# Altium PCB 0416.PcbDoc (part 3 of 3)
Units mm, origin at the board's own origin, x right, y up, seen from the top; angles counter-clockwise.
Board outline 152.4 x 49.85 mm, 4 copper layers (Top Layer, Signal Layer 2, Signal Layer 1, Bottom Layer), stack 0.778 mm thick; 259 components, 302 nets, 1185 pads, 479 vias.
Unrouted connection lines stored in the file: 71.
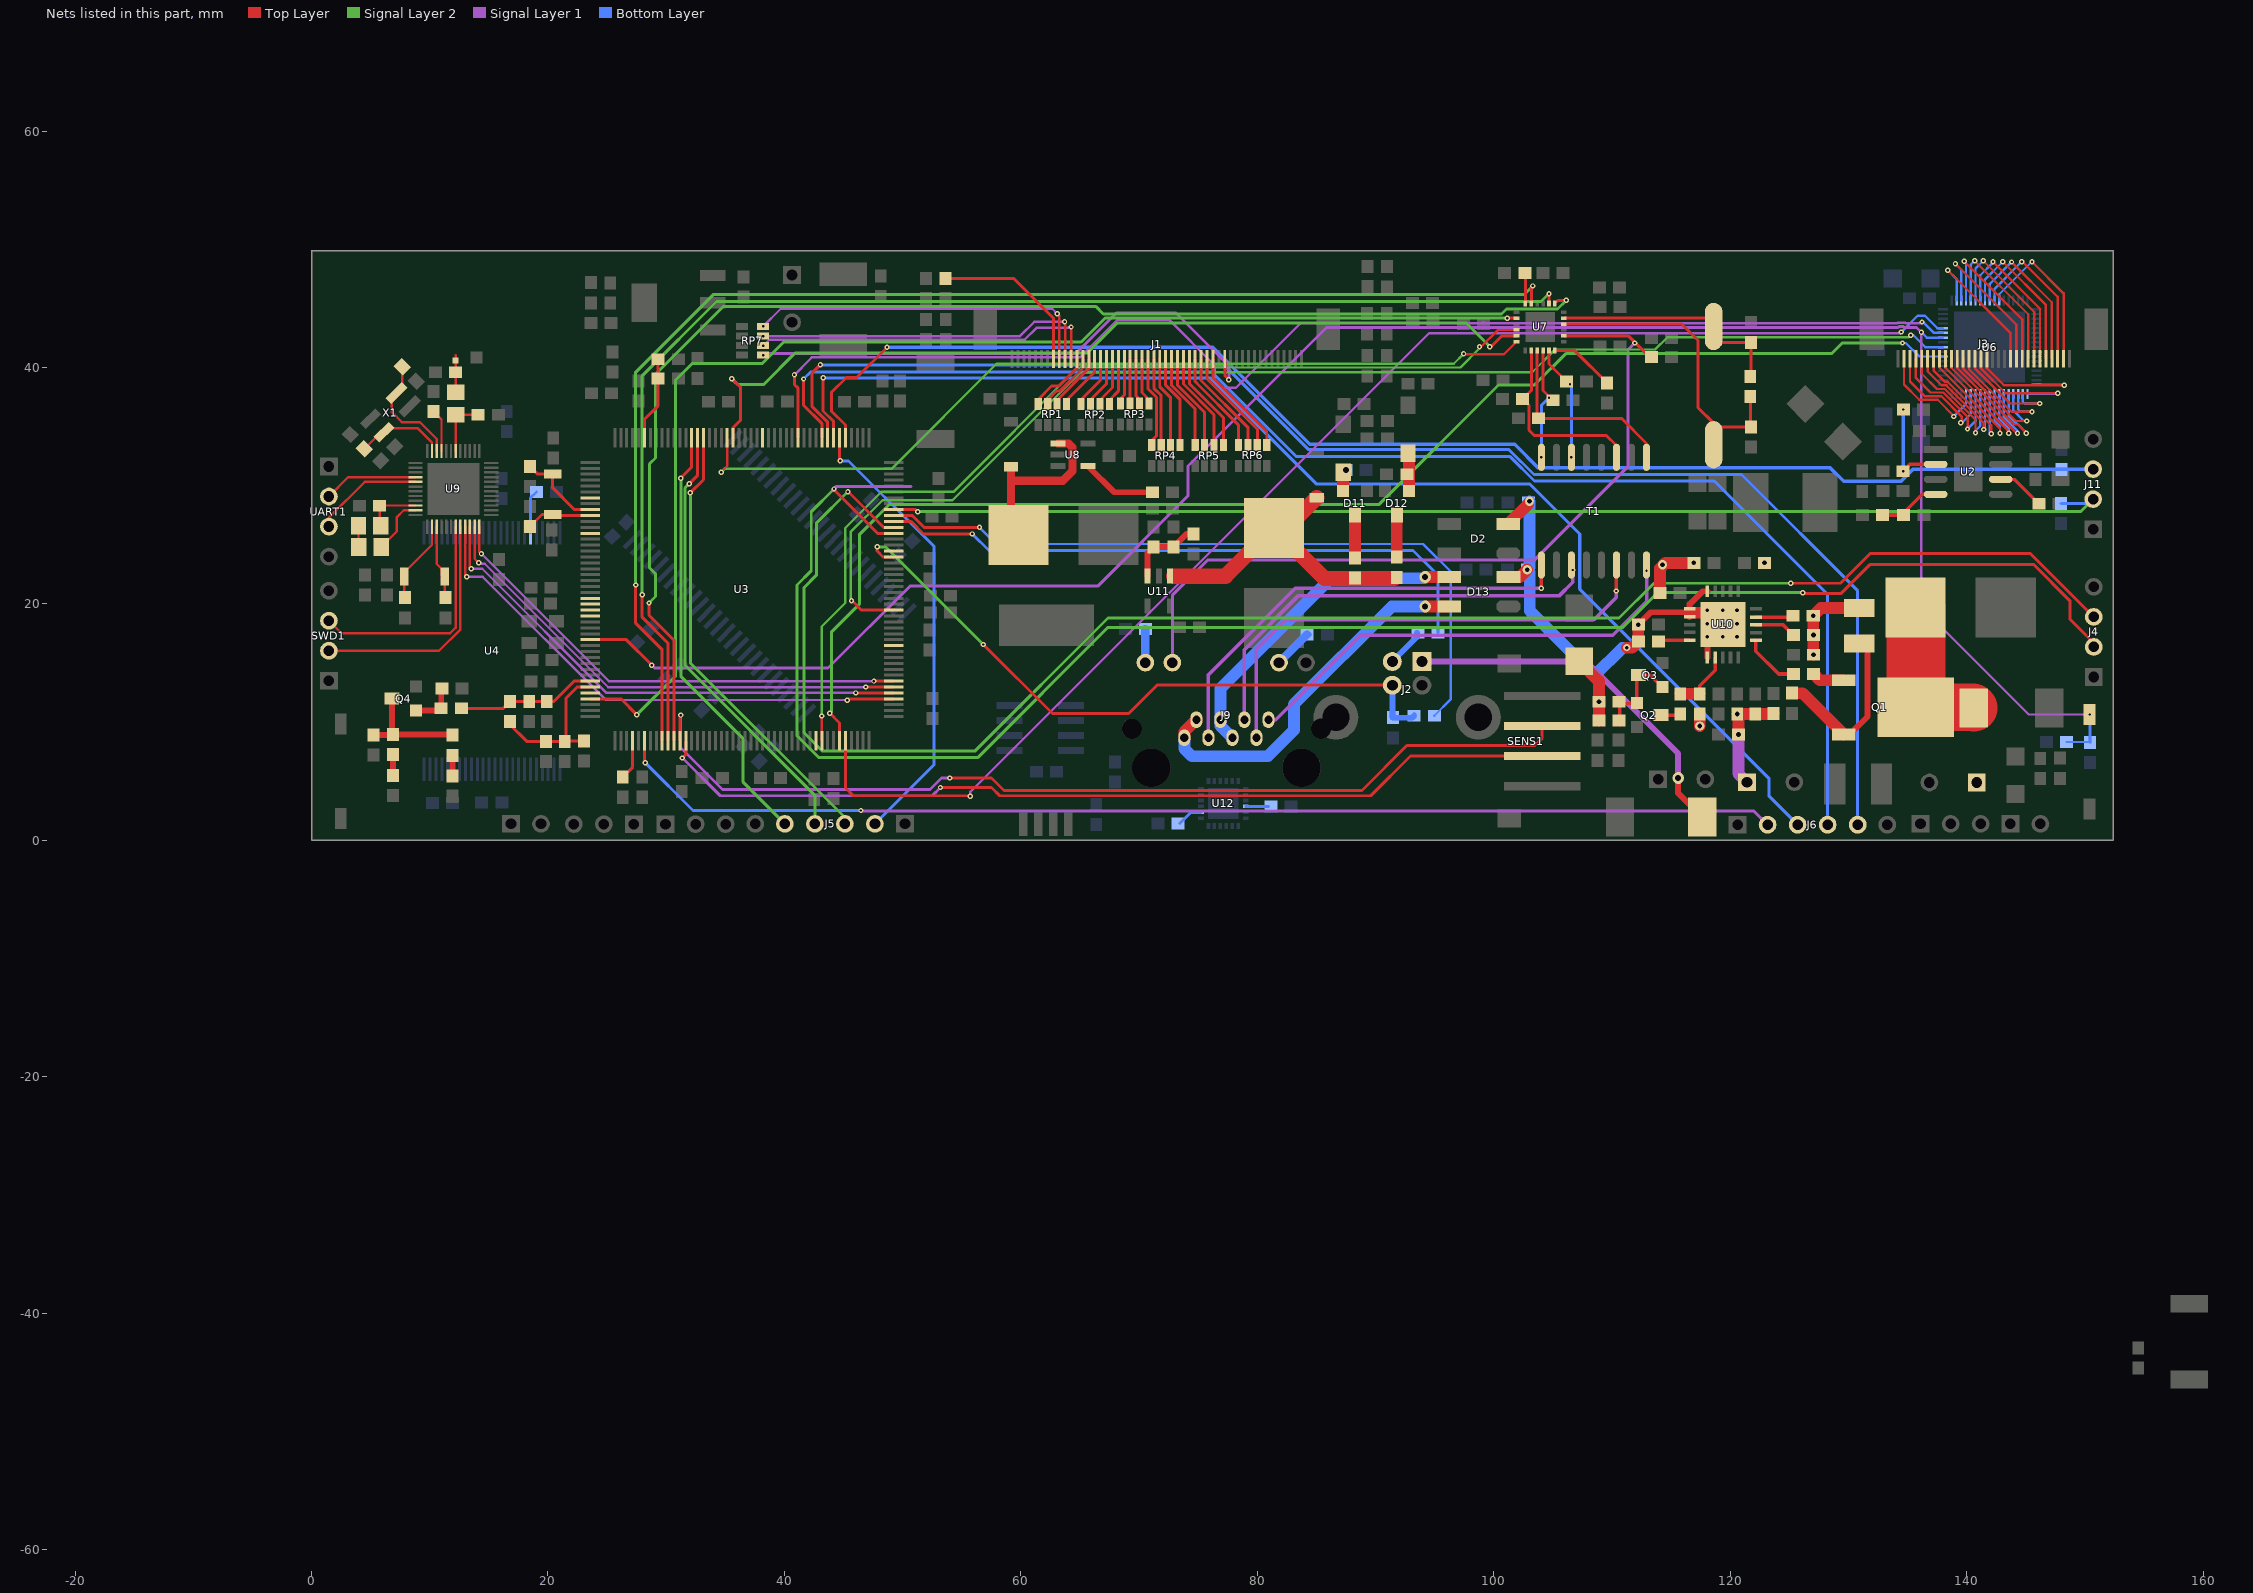
[diagram p5: the nets of this part, all layers, seen from the top]

## Via types
v1: diameter 0.45, hole 0.2, Top Layer to Bottom Layer, 285 vias
v2: diameter 1, hole 0.5, Top Layer to Bottom Layer, 61 vias
v3: diameter 0.6, hole 0.3, Top Layer to Bottom Layer, 56 vias
v4: diameter 0.8, hole 0.4, Top Layer to Bottom Layer, 41 vias
v5: diameter 0.5, hole 0.3, Top Layer to Bottom Layer, 36 vias

## Nets (pads, with @x,y where several pads share a name; then routed paths per layer and width w, separated by ;. In a path a pad name is that pad's centre, name@x,y a point inside that pad or via, vN(x,y) a via of type N, cw(c..) or ccw(c..) an arc to the next point about the centre after c; other vN are vias at no path point) (continued)
NetC70_1: C70.1 R68.2 U7.4 Y3.2 | length 27.3
  Top Layer w0.25: U7.4@105.925,43.675 115.9,43.675 117.275,42.3 117.275,36.6 118.6,35.275 Y3.2@118.6,33.469 ; Y3.2@118.6,34.475 119.1,34.975 C70.1@121.75,34.975 121.7,35.025 R68.2@121.7,37.55
NetC71_1: C71.1 R68.1 U7.5 Y3.1 | length 21
  Top Layer w0.25: U7.5@105.925,44.175 117.894,44.175 Y3.1@118.6,43.469 Y3.1@118.6,42.775 ; Y3.1@118.6,41.7 Y3.1@118.6,42.775 ; R68.1@121.75,39.3 C71.1@121.75,42.1 119.275,42.1 Y3.1@118.6,42.775
NetC75_2: C75.2 L3.1 U9.46 | length 4.6
  Top Layer w0.2: L3.1@5.775,26.725 C75.2@5.775,28.3 5.8,28.325 U9.46@8.8,28.325
NetC76_1: C76.1 U9.35 X1.3 | length 7.7
  Top Layer w0.2: C76.1@4.475,33.125 5.874,34.524 X1.3@6.13,34.524 6.481,34.875 8.975,34.875 10.2,33.65 U9.35@10.2,32.925
NetC77_1: C77.1 U9.2 X2.1 | length 6.5
  Top Layer w0.2: C77.1@7.85,21.025 X2.1@7.85,22.325 7.85,22.65 10.2,25 U9.2@10.2,26.525
NetC80_1: C80.1 U9.34 X1.1 | length 10
  Top Layer w0.2: C80.1@7.675,40.05 7.675,38.356 6.8,37.481 6.8,36.225 7.65,35.375 9.175,35.375 10.6,33.95 U9.34@10.6,32.925
NetC81_1: C81.1 U9.3 X2.2 | length 6.3
  Top Layer w0.2: U9.3@10.6,26.525 10.6,23.375 11.025,22.95 11.025,22.379 11.279,22.125 11.279,20.571 C81.1@11.325,20.525
NetC83_1: C83.1 U9.33 | length 3.6
  Top Layer w0.2: C83.1@10.325,36.275 11,35.6 U9.33@11,32.925
NetC85_1: C85.1 C86.2 D15.1 L7.2 U11.1 | length 26.8
  Top Layer w1.3: 72.95,22.35 77.325,22.35 L7.2@81.407,26.432 ; D15.1@85.025,28.97 82.487,26.432 L7.2@81.407,26.432 ; C85.1@91.6,22.15 85.689,22.15 L7.2@81.407,26.432
NetC85_2: C85.2 D12.3 | length 3.6
  Top Layer w1: C85.2@91.8,23.95 91.8,27.484 D12.3@91.825,27.509
NetC86_1: C86.1 D11.3 | length 3.6
  Top Layer w1: C86.1@88.275,23.9 D11.3@88.275,27.509
NetC87_2: C87.2 D10.1 D12.1 | length 3.2
  Top Layer w1: D10.1@92.75,32.743 92.841,32.652 D12.1@92.841,29.541
NetC88_1: C88.1 D11.2 D14.2 | length 1.6
  Top Layer w1: D11.2@87.259,29.541 87.259,31.127 D14.2@87.275,31.143
  other v2: 87.5,31.325
NetC90_2: C90.2 L6.1 U9.30 | length 5
  Top Layer w0.2: U9.30@12.2,32.925 L6.1@12.2,36 C90.2@14.1,36
NetC95_2: C95.2 R74.2 R75.1 U11.3 | length 6.5
  Top Layer w0.5: U11.3@70.725,22.35 70.725,24.3 R74.2@71.225,24.8 71.25,24.825 C95.2@72.925,24.825 74.025,25.925 R75.1@74.6,25.925
NetC116_1: C116.1 U12.20 | length 2.2
  Bottom Layer w0.25: C116.1@73.45,1.425 74.4,2.375 U12.20@75.225,2.375
NetC117_2: C117.2 U12.10 | length 1.9
  Bottom Layer w0.25: U12.10@79.025,2.875 C117.2@80.95,2.875
NetD3_2: D3.2 L2.1 Q1.3 | length 13.4
  Top Layer w4: Q1.3@135.7,11.26 140.54,11.26 D3.2@140.6,11.2
  Top Layer w5: L2.1@135.687,19.693 135.7,19.68 Q1.3@135.7,11.26
NetD6_1: D6.1 R46.2 | length 1.7
  Top Layer w0.5: D6.1@6.9,5.5 R46.2@6.9,7.25
NetD7_1: D7.1 R47.2 | length 1.7
  Top Layer w0.5: D7.1@11.925,5.45 R47.2@11.925,7.2
NetD8_1: D8.1 J2.1 | length 31.1
  Top Layer w0.5: v2(115.6,5.275) 115.6,4 D8.1@117.625,1.975
  Signal Layer 1 w0.5: J2.1@93.925,15.125 107.825,15.125 115.6,7.35 v2(115.6,5.275)
NetD9_1: D9.1 L4.2 U8.1 | length 14.9
  Top Layer w0.7: D9.1@59.175,31.595 59.175,26.45 L4.2@59.793,25.832 ; 59.2,30.425 63.575,30.425 64.375,31.225 64.375,33.25 64.05,33.575 U8.1@63.125,33.575
NetJ1_8: J1.8 R17.2 | length 14
  Top Layer w0.25: R17.2@53.625,47.525 59.4,47.525 62.75,44.175 J1.8@62.75,40.725
NetJ2_2: J2.2 R61.2 | length 3.3
  Bottom Layer w0.5: J2.2@91.425,15.125 93.5,17.2 R61.2@93.5,17.55
NetJ9_1: J9.1 T1.16 | length 39.3
  Top Layer w0.3: T1.16@112.92,23.3 112.925,23.295 v1(112.925,22.8)
  Signal Layer 1 w0.3: J9.1@80.834,10.21 81.56,10.21 88.7,17.35 110.075,17.35 112.925,20.2 v1(112.925,22.8)
NetJ9_2: J9.2 T1.14 | length 42.5
  Top Layer w0.3: v1@110.38,21.1 T1.14@110.38,23.3
  Signal Layer 1 w0.3: J9.2@79.93,8.686 79.93,16.155 82.425,18.65 108.475,18.65 110.375,20.55 v1(110.375,21.1)
NetJ9_3: J9.3 T1.11 | length 37.1
  Signal Layer 1 w0.3: J9.3@78.914,10.21 78.914,16.139 83.45,20.675 105.525,20.675 106.675,21.825 v1(106.675,22.875)
NetJ9_6: J9.6 T1.9 | length 38.5
  Top Layer w0.3: v1(104.03,21.33) T1.9@104.03,23.3
  Signal Layer 1 w0.3: J9.6@75.866,8.686 75.866,13.991 83.205,21.33 v1(104.03,21.33)
NetJ9_10: J9.10 R64.1 | length 2.8
  Bottom Layer w0.7: J9.10@70.532,15.036 R64.1@70.532,17.857
NetJ9_11: J9.11 R63.1 | length 3.4
  Bottom Layer w0.7: J9.11@81.835,15.036 R63.1@84.225,17.425
NetL3_2: L3.2 L5.1 | length 1.8
  Top Layer w0.2: L3.2@3.975,26.625 3.975,24.85 L5.1@4,24.825
NetL5_2: L5.2 U9.47 | length 4.9
  Top Layer w0.2: L5.2@5.9,24.825 7.225,26.15 7.225,27.35 7.8,27.925 U9.47@8.8,27.925
NetQ1_1: Q1.1 R1.1 | length 2.8
  Top Layer w1: R1.1@127.05,14.075 127.575,13.55 Q1.1@129.6,13.55
NetQ1_2: Q1.2 R01.2 R2.1 | length 14.9
  Top Layer w0.5: Q1.2@129.6,8.97 130.12,8.97 131.625,10.475 131.625,15.95 R01.2@130.925,16.65
  Top Layer w1: R2.1@125.225,12.45 126.12,12.45 Q1.2@129.6,8.97
NetQ2_1: Q2.1 Q3.1 Q3.3 R11.2 R15.2 | length 8.1
  Top Layer w0.3: R15.2@110.625,9.8 110.65,9.825 110.65,11.5 110.766,11.616 Q2.1@112.109,11.616 112.109,13.85 Q3.3@112.234,13.975 113.25,13.975 Q3.1@114.266,12.959
NetQ2_3: Q2.3 R4.2 | length 1.7
  Top Layer w0.3: Q2.3@114.141,10.6 115.675,10.6 R4.2@115.775,10.7
NetQ4_1: Q4.1 R40.1 R43.2 | length 3.9
  Top Layer w0.5: Q4.1@8.841,10.984 10.784,10.984 R40.1@10.975,11.175 10.975,12.8 R43.2@11.025,12.85
NetR1_2: R1.2 U10.16 | length 4.9
  Top Layer w0.3: U10.16@122.175,16.925 122.175,16 124.1,14.075 R1.2@125.35,14.075
NetR4_1: R4.1 R5.2 U10.12 | length 5.3
  Top Layer w0.29: R5.2@117.425,12.4 117.425,13.075 118.725,14.375 U10.12@118.725,15.475
  Top Layer w1: R4.1@115.775,12.4 R5.2@117.425,12.4
NetR7_2: R7.2 U10.18 | length 3.5
  Top Layer w0.3: U10.18@122.175,18.225 124.5,18.225 R7.2@125.35,17.375
NetR8_2: R8.2 U10.19 | length 3.2
  Top Layer w0.3: U10.19@122.175,18.875 125.2,18.875 R8.2@125.325,19
NetR9_2: R9.2 U10.10 | length 2.7
  Top Layer w0.3: R9.2@113.925,16.825 114.025,16.925 U10.10@116.575,16.925
NetR30_2: R30.2 U3.48 | length 3.4
  Top Layer w0.254: R30.2@26.325,5.35 27.165,6.19 U3.48@27.165,8.409
NetR33_1: R33.1 R38.1 U2.2 | length 8.2
  Top Layer w0.3: v1(134.625,31.225) 135.21,31.81 U2.2@137.375,31.81
  Bottom Layer w0.3: v1(134.625,31.225) 134.625,36.425 v1(134.65,36.45)
NetR35_2: R35.2 R36.2 U3.171 | length 7.1
  Top Layer w0.254: U3.171@28.165,34.04 28.165,35.615 29.325,36.775 R35.2@29.325,39.075 R36.2@29.325,40.7
NetR39_1: R39.1 U4.19 | length 3.7
  Bottom Layer w0.254: U4.19@18.525,26.025 18.525,28.975 R39.1@19.025,29.475
NetR41_1: R41.1 R42.1 U2.4 | length 5.3
  Top Layer w0.3: R41.1@132.9,27.525 R42.1@134.675,27.525 134.675,27.7 136.245,29.27 U2.4@137.375,29.27
NetR44_1: R44.1 U2.6 | length 4.1
  Top Layer w0.25: U2.6@142.875,30.54 144.035,30.54 R44.1@146.1,28.475
NetR54_1: R54.1 U7.12 | length 2.6
  Top Layer w0.25: R54.1@102.625,48 102.675,47.95 U7.12@102.675,45.425
NetR70_2: R70.2 U8.4 | length 6.4
  Top Layer w0.5: U8.4@65.665,31.675 67.89,29.45 R70.2@71.125,29.45
NetR200_1: R200.1 U7.24 | length 5.5
  Top Layer w0.25: U7.24@105.175,41.425 106.85,41.425 R200.1@109.575,38.7
NRF_SWDCLK: SWD1.2 U9.8 | length 20.5
  Top Layer w0.2: SWD1.2@1.475,16.04 10.79,16.04 12.6,17.85 U9.8@12.6,26.525
NRF_SWDIO: SWD1.3 U9.7 | length 19.9
  Top Layer w0.2: SWD1.3@1.475,18.58 2.53,17.525 11.725,17.525 12.2,18 U9.7@12.2,26.525
NRFU_RX: U9.40 UART1.2 | length 8
  Top Layer w0.2: UART1.2@1.475,29.085 3.115,30.725 U9.40@8.8,30.725
NRFU_TX: U9.41 UART1.3 | length 9.3
  Top Layer w0.2: UART1.3@1.475,26.545 1.475,27.3 4.5,30.325 U9.41@8.8,30.325
PA0: U3.40
PA1: U3.41 U7.14 | length 107.4
  Top Layer w0.254: U3.41@23.6,11.975 26.175,11.975 v1(27.525,10.625) ; v1(101.15,44.175) U7.14@101.925,44.175
  Signal Layer 2 w0.254: v1(27.525,10.625) 30.771,13.871 30.771,38.896 32.225,40.35 38.141,40.35 39.945,42.154 65.104,42.154 67.125,44.175 89.949,44.175 v1(101.15,44.175)
PA4: J6.2 U3.50 | length 99.1
  Top Layer w0.254: U3.50@28.165,8.409 28.165,6.515 v1(28.225,6.575)
  Signal Layer 1 w0.254: v1(46.475,2.525) 46.525,2.475 122.015,2.475 J6.2@123.165,1.325
  Bottom Layer w0.254: v1(28.225,6.575) 32.275,2.525 v1(46.475,2.525)
PA7: U3.53 U7.11 | length 112.5
  Top Layer w0.254: v1(27.429,21.604) 27.429,18.371 29.666,16.134 U3.53@29.666,8.409 ; U7.11@103.175,45.425 103.175,46.775 v1(103.3,46.9)
  Signal Layer 2 w0.254: v1(27.429,21.604) 27.429,39.604 34.019,46.194 102.594,46.194 v1(103.3,46.9)
PA11: R61.1 U3.122 | length 52.8
  Top Layer w0.25: U3.122@49.231,26.975 50.725,26.975 51.777,25.923 v1(55.9,25.923)
  Bottom Layer w0.25: v1(55.9,25.923) 57.298,24.525 93.175,24.525 95.275,22.425 R61.1@95.275,17.575
PA12: R62.1 U3.123 | length 61.9
  Top Layer w0.25: U3.123@49.231,27.475 50.825,27.475 51.825,26.475 v1(56.5,26.475)
  Bottom Layer w0.2: v1(56.5,26.475) 57.9,25.075 94.025,25.075 96.375,22.725 96.375,11.95 R62.1@94.975,10.55
PA13: J11.2 R48.1 U3.124 | length 104.3
  Top Layer w0.25: U3.124@49.231,27.975 51.1,27.975 v1(51.275,27.8)
  Signal Layer 2 w0.25: v1(51.275,27.8) 149.635,27.8 J11.2@150.7,28.865
  Bottom Layer w0.25: R48.1@147.975,28.5 J11.2@150.335,28.5
PA14: J11.3 R50.2 U3.137 | length 117.8
  Top Layer w0.254: U3.137@45.166,34.04 45.166,35.134 43.975,36.325 43.975,37.875 45.25,39.15 46.125,39.15 v1(48.675,41.7)
  Bottom Layer w0.3: v1(48.675,41.7) 76.235,41.7 84.435,33.5 101.775,33.5 103.771,31.504 128.475,31.504 129.604,30.375 134.449,30.375 135.449,31.375 R50.2@148.025,31.375 148.055,31.405 J11.3@150.7,31.405
PA15: J5.2 U3.138 | length 38.7
  Top Layer w0.254: U3.138@44.665,34.04 44.665,32.054 44.725,31.994 v1(44.725,32.1)
  Bottom Layer w0.254: v1(44.725,32.1) 45.425,32.1 52.675,24.85 52.675,6.415 J5.2@47.66,1.4
PB0: SENS1.3 U3.56 | length 84.7
  Top Layer w0.25: U3.56@31.165,8.409 31.165,10.54 v1(31.225,10.6) ; v1(53.975,5.275) 57.525,5.275 58.575,4.225 88.85,4.225 92.65,8.025 103.475,8.025 104.1,8.65 SENS1.3@104.1,9.67 SENS1.3@102.37,9.67
  Signal Layer 1 w0.25: v1(31.225,10.6) 31.225,7.85 34.775,4.3 52.322,4.3 53.297,5.275 v1(53.975,5.275)
PB1: SENS1.2 U3.57 | length 77.6
  Top Layer w0.25: v1(31.375,6.975) 31.666,7.266 U3.57@31.666,8.409 ; v1(53.2,4.475) 57.525,4.475 58.225,3.775 89.6,3.775 92.955,7.13 SENS1.2@104.1,7.13
  Signal Layer 1 w0.25: v1(31.375,6.975) 34.575,3.775 52.5,3.775 v1(53.2,4.475)
PB3: J5.3 U3.161 | length 38.5
  Top Layer w0.254: v1(32.05,29.4) 33.165,30.515 U3.161@33.165,34.04
  Signal Layer 2 w0.254: v1(32.05,29.4) 32.05,15 45.12,1.93 J5.3@45.12,1.4
PB4: J5.4 U3.162 | length 37.6
  Top Layer w0.254: v1(31.95,30.175) 32.666,30.891 U3.162@32.666,34.04
  Signal Layer 2 w0.254: v1(31.95,30.175) 31.596,29.821 31.596,14.804 42.58,3.82 J5.4@42.58,1.4
PB5: J5.5 U3.163 | length 36.7
  Top Layer w0.254: v1(31.225,30.625) 31.225,30.65 32.165,31.59 U3.163@32.165,34.04
  Signal Layer 2 w0.254: v1(31.225,30.625) 31.241,30.609 31.241,13.875 36.52,8.596 36.52,4.92 J5.5@40.04,1.4
PB10: U3.79
PB11: U3.80 U7.16 | length 82.7
  Top Layer w0.2: v1(43.15,10.525) 43.166,10.509 U3.80@43.166,8.409 ; v1(98.8,41.75) 98.925,41.75 100.35,43.175 U7.16@101.925,43.175
  Signal Layer 2 w0.2: v1(43.15,10.525) 43.15,18.075 45.15,20.075 45.15,26.425 48.2,29.475 54.3,29.475 64.755,39.93 64.954,39.93 65.027,40.003 97.178,40.003 98.8,41.625 v1(98.8,41.75) v1@98.771,41.721
PB12: U3.92 U9.9 | length 44.8
  Top Layer w0.2: U9.9@13,26.525 13,22.425 v1(13.125,22.3)
  Top Layer w0.25: v1(45.325,11.85) 45.45,11.975 U3.92@49.231,11.975
  Signal Layer 1 w0.2: v1(13.125,22.3) 14.475,22.3 24.9,11.875 45.3,11.875 v1(45.325,11.85)
PB13: U3.93 U9.10 | length 43.7
  Top Layer w0.2: U9.10@13.4,26.525 13.4,23.1 v1(13.525,22.975)
  Top Layer w0.25: v1(46.025,12.475) U3.93@49.231,12.475
  Signal Layer 1 w0.2: v1(13.525,22.975) 14.45,22.975 24.95,12.475 v1(46.025,12.475)
PB14: U3.94 U9.11 | length 42.7
  Top Layer w0.2: U9.11@13.8,26.525 13.8,23.825 v1(14.15,23.475)
  Top Layer w0.25: v1(46.875,12.975) U3.94@49.231,12.975
  Signal Layer 1 w0.2: v1@14.05,23.4 14.65,23.4 25.1,12.95 46.85,12.95 v1(46.875,12.975)
PB15: U3.95 U9.12 | length 41.7
  Top Layer w0.2: U9.12@14.2,26.525 14.2,24.425 v1(14.375,24.25)
  Top Layer w0.25: v1(47.575,13.475) U3.95@49.231,13.475
  Signal Layer 1 w0.2: v1(14.375,24.25) 25.15,13.475 v1(47.575,13.475)
PC4: U3.54 U7.8 | length 112.2
  Top Layer w0.254: v1(27.975,20.775) 27.975,18.875 30.165,16.685 U3.54@30.165,8.409 ; U7.8@104.675,45.425 v1(104.675,46.25)
  Signal Layer 2 w0.254: v1(27.975,20.775) 27.975,39.3 34.25,45.575 104,45.575 v1(104.675,46.25)
PC5: U3.55 U7.7 | length 113.7
  Top Layer w0.254: v1(28.55,20.075) 28.55,19.05 30.666,16.934 U3.55@30.666,8.409 ; U7.7@105.175,45.425 105.425,45.675 v1(106.125,45.675)
  Signal Layer 2 w0.254: v1(28.55,20.075) 29.1,20.625 29.1,22.56 28.6,23.06 28.6,31.85 29.1,32.35 29.1,39.425 34.85,45.175 66.333,45.175 66.978,44.531 100.656,44.531 101.075,44.95 105.4,44.95 v1(106.125,45.675)
PC7: J2.3 R62.2 R65.2 U3.116 | length 57
  Top Layer w0.25: v1(47.85,24.825) 47.85,24.475 48.35,23.975 U3.116@49.231,23.975 ; v1(56.825,16.575) 62.675,10.725 69.125,10.725 71.525,13.125 J2.3@91.425,13.125
  Signal Layer 2 w0.25: v1(47.85,24.825) 48.575,24.825 v1(56.825,16.575)
  Bottom Layer w0.5: J2.3@91.425,13.125 91.425,10.425 R65.2@91.475,10.375 93.1,10.375 R62.2@93.275,10.55
PC8: U3.117
PC10: J6.3 U3.139 | length 107.2
  Top Layer w0.254: v1(43.3,39.125) 43.275,39.15 43.275,36.325 44.166,35.434 U3.139@44.166,34.04
  Bottom Layer w0.254: v1(43.3,39.125) 76.025,39.125 85.025,30.125 103.075,30.125 107.275,25.925 107.275,21.25 123.3,5.225 123.3,3.73 J6.3@125.705,1.325
PC11: J6.5 U3.140 | length 122.5
  Top Layer w0.254: v1(43.05,40.225) 43.025,40.225 42.35,39.55 42.35,36.69 43.665,35.375 U3.140@43.665,34.04
  Bottom Layer w0.254: v1(43.05,40.225) 77.175,40.225 84.35,33.05 101.3,33.05 103.4,30.95 120.95,30.95 130.785,21.115 J6.5@130.785,1.325
PC12: J6.4 U3.141 | length 119.8
  Top Layer w0.254: v1(41.625,39.025) 41.625,36.816 43.166,35.275 U3.141@43.166,34.04
  Bottom Layer w0.254: v1(41.625,39.025) 42.225,39.625 76.15,39.625 83.316,32.459 101.388,32.459 103.447,30.4 118.65,30.4 128.245,20.805 J6.4@128.245,1.325
PC14: C29.1 U3.9 Y1.2 | length 7.3
  Top Layer w0.25: C29.1@18.475,31.625 19.096,31.004 Y1.2@20.4,31.004 20.4,29.825 22.25,27.975 U3.9@23.6,27.975
PC15: C30.1 U3.10 Y1.1 | length 5.6
  Top Layer w0.25: C30.1@18.475,26.55 19.5,27.575 Y1.1@20.4,27.575 20.5,27.475 U3.10@23.6,27.475
PD3: U3.145 U6.46 | length 110.5
  Top Layer w0.25: v1(40.85,39.375) 40.85,38.55 41.166,38.234 U3.145@41.166,34.04
  Signal Layer 1 w0.2: v1(40.85,39.375) 42.127,40.652 42.123,40.652 42.347,40.875 65.025,40.875 68.2,44.05 72.525,44.05 76.388,40.188 76.388,38.963 77.075,38.275 78.175,38.275 83.648,43.748 99.05,43.748 ; 99.125,43.823 99.05,43.748 ; v1(136.225,43.85) 136.123,43.748 134.832,43.748 134.799,43.782 134.154,43.782 134.121,43.748 99.05,43.748
  Bottom Layer w0.2: v1(136.225,43.85) 136.3,43.85 137.225,42.925 U6.46@138,42.925
PD7: U3.151
PD13: U3.101
PF6: U3.24
PF7: U3.25
PF8: U3.26
PF9: U3.27
PG3: U3.107 U6.43 | length 109.5
  Top Layer w0.2: v1(45.675,20.275) v1@45.675,20.325
  Top Layer w0.25: v1@45.675,20.325 46.525,19.475 U3.107@49.231,19.475
  Signal Layer 2 w0.2: v1@45.6,20.275 45.6,26.075 48.3,28.775 54.225,28.775 65.05,39.6 77.097,39.6 77.098,39.602 77.452,39.602 77.453,39.6 103.25,39.6 105.175,41.525 113.648,41.525 114.673,42.55 135.1,42.55 v1(135.275,42.725)
  Bottom Layer w0.2: v1(135.275,42.725) 135.5,42.725 136.5,41.725 U6.43@138,41.725
PG13: U3.156 U7.17 | length 75.6
  Top Layer w0.254: v1(35.55,39.05) 36.3,38.3 36.3,35.55 35.666,34.916 U3.156@35.666,34.04 ; v1(99.675,41.75) 99.775,41.75 100.7,42.675 U7.17@101.925,42.675
  Signal Layer 2 w0.254: v1(35.55,39.05) 36.05,38.55 38.225,38.55 40.921,41.246 65.646,41.246 68.175,43.775 97.65,43.775 v1(99.675,41.75)
PG14: U3.157 U7.18 | length 75
  Top Layer w0.2: v1(34.65,31.15) 34.65,31.175 35.165,31.69 U3.157@35.165,34.04 ; v1(97.45,41.15) 97.479,41.121 100.871,41.121 U7.18@101.925,42.175
  Signal Layer 2 w0.2: v1(34.65,31.15) 34.925,31.425 49.05,31.425 57.946,40.321 96.621,40.321 v1(97.45,41.15)
PH6: U3.83 U6.41 | length 117.7
  Top Layer w0.254: v1(43.85,10.75) 44.665,9.935 U3.83@44.665,8.409
  Signal Layer 2 w0.254: v1(43.85,10.75) 44.004,10.904 44.004,17.654 46.375,20.025 46.375,25.9 48.9,28.425 90.325,28.425 100.412,38.512 103.437,38.512 106.096,41.171 128.571,41.171 129.475,42.075 v1(134.575,42.075)
  Bottom Layer w0.2: v1(134.575,42.075) 134.85,42.075 136,40.925 U6.41@138,40.925
PH7: U3.84 U6.47 | length 114.6
  Top Layer w0.25: U3.84@45.166,8.409 45.166,4.434 45.825,3.775 55.675,3.775 v1(55.725,3.725)
  Signal Layer 1 w0.2: v1(55.725,3.725) 55.725,4.1 94.527,42.902 134.374,42.902 v1(134.476,43.004)
  Bottom Layer w0.2: v1(134.476,43.004) 135.848,44.375 136.475,44.375 137.525,43.325 U6.47@138,43.325
PI8: U3.7
PI11: U3.13
PSEGND: C01.2 C1.2 C3.2 C4.2 C6.1 C8.2 C13.2 C16.1 C118.1 D1.1 D2.2 D13.2 R01.1 R3.2 R5.1 R7.1 R8.1 R9.1 R11.1 R12.1 R13.1 R15.1 R67.1 U10.0 U10.5@118.075,21.075 U10.6@116.575,19.575 U10.7@116.575,18.913 U10.11 | length 69.3
  Top Layer w0.5: v4(112.225,18.25) 113.275,19.3 116.3,19.3 116.6,19.25 ; U10.7@116.575,18.913 116.6,19.25 ; U10.11@118.075,15.475 U10.0@118.075,16.975 ; U10.5@118.075,21.075 117.672,21.075 116.575,19.978 116.6,19.25
  Top Layer w1: D2.2@101.225,26.775 v4@102.9,28.45 ; D13.2@101.25,22.275 102.2,22.275 v4(102.825,22.9) ; D1.1@107.225,15.15 108.9,13.475 v4(108.9,11.725) R15.1@108.9,10.15 ; v3(111.25,16.3) 111.7,16.3 R9.1@112.225,16.825 v4(112.225,18.25) ; R3.2@114.075,20.925 114.075,23.025 114.525,23.475 v4(116.925,23.475) ; 116.6,19.25 U10.0@118.1,19.25 ; v4(117.425,9.675) R5.1@117.425,10.7 ; v4(120.7,8.95) 120.7,10.6 v4(120.6,10.7) 123.65,10.7 C3.2@123.675,10.725 ; v4(127.05,15.7) 127.025,15.725 v4(127.025,19) 127.675,19.65 R01.1@130.925,19.65
  Signal Layer 1 w1: v4(120.7,8.95) 120.7,5.65 C6.1@121.425,4.925
  Bottom Layer w0.6: v3@111.047,16.097 v3(111.25,16.3)
  Bottom Layer w1: v4(103.025,28.675) 103.025,23.1 v4(102.825,22.9) 103.05,22.675 103.05,19.425 108.9,13.575 v4(108.9,11.725) ; 108.55,13.95 110.872,16.272
  other v3: 118.075,17.225 119.375,17.225 120.575,17.225 118.075,18.337 119.375,18.337 120.575,18.337 118.075,19.45 119.375,19.45 120.575,19.45
  other v4: 127.05,17.375 114.275,23.325 122.9,23.475
RESET: C110.2 R21.1 S1.1 U3.31 U6.45 | length 174.9
  Top Layer w0.25: U3.31@23.6,16.975 26.625,16.975 v1(28.775,14.825) v1@28.875,14.825
  Signal Layer 1 w0.2: v1@136.175,42.95 136.175,19.725 145.25,10.65 v1(150.4,10.65)
  Signal Layer 1 w0.25: v1(28.775,14.825) 29.025,14.575 43.7,14.575 50.625,21.5 66.5,21.5 74.15,29.15 74.15,31.664 85.861,43.375 134.209,43.375 134.289,43.455 134.663,43.455 134.744,43.375 135.75,43.375 v1@136.175,42.95
  Bottom Layer w0.2: v1(136.175,42.975) 136.625,42.525 U6.45@138,42.525 ; R21.1@148.45,8.325 150.4,8.325 C110.2@150.425,8.3
  Bottom Layer w0.25: v1(150.4,10.65) 150.425,10.625 C110.2@150.425,8.3
RF: C91.2 E1.1 L6.2 | length 3.2
  Top Layer w0.2: L6.2@12.2,37.9 C91.2@12.2,39.6 12.2,41.05
RX1: J3.20 U6.53 | length 12.5
  Top Layer w0.2: v1(138.4,48.225) 143.703,42.922 J3.20@143.703,40.75
  Bottom Layer w0.2: v1(138.4,48.225) 139.15,47.475 U6.53@139.15,45.675
RX2: J3.21 U6.54 | length 13.5
  Top Layer w0.2: v1(139.05,48.775) 144.203,43.622 J3.21@144.203,40.75
  Bottom Layer w0.2: v1(139.05,48.775) 139.55,48.275 U6.54@139.55,45.675
RX3: J3.22 U6.55 | length 13.6
  Top Layer w0.2: v1(139.8,48.975) 144.703,44.072 J3.22@144.703,40.75
  Bottom Layer w0.2: v1(139.8,48.975) 139.8,48.95 139.95,48.8 U6.55@139.95,45.675
RX4: J3.23 U6.56 | length 13.6
  Top Layer w0.2: v1(140.675,49.025) 145.203,44.497 J3.23@145.203,40.75
  Bottom Layer w0.2: U6.56@140.35,45.675 140.35,48.7 v1(140.675,49.025)
RX5: J3.24 U6.57 | length 13.7
  Top Layer w0.2: v1(141.4,49.025) 145.703,44.722 J3.24@145.703,40.75
  Bottom Layer w0.2: U6.57@140.75,45.675 140.75,48.375 v1(141.4,49.025)
RX6: J3.25 U6.58 | length 13.6
  Top Layer w0.2: v1(142.225,48.95) 146.203,44.972 J3.25@146.203,40.75
  Bottom Layer w0.2: U6.58@141.15,45.675 141.15,47.8 142.225,48.875 v1(142.225,48.95)
RX7: J3.26 U6.59 | length 13.6
  Top Layer w0.2: v1(143.05,48.95) 146.703,45.297 J3.26@146.703,40.75
  Bottom Layer w0.2: U6.59@141.55,45.675 141.55,47.45 v1(143.05,48.95)
RX8: J3.27 U6.60 | length 13.6
  Top Layer w0.2: v1(143.8,48.925) 147.203,45.522 J3.27@147.203,40.75
  Bottom Layer w0.2: U6.60@141.95,45.675 141.95,47.075 v1(143.8,48.925)
RX9: J3.28 U6.61 | length 13.7
  Top Layer w0.2: v1(144.65,48.95) 144.725,48.95 147.703,45.972 J3.28@147.703,40.75
  Bottom Layer w0.2: U6.61@142.35,45.675 142.35,46.65 v1(144.65,48.95)
RX10: J3.29 U6.62 | length 13.7
  Top Layer w0.2: v1(145.525,48.95) 148.203,46.272 J3.29@148.203,40.75
  Bottom Layer w0.2: U6.62@142.75,45.675 142.75,46.2 145.5,48.95 v1(145.525,48.95)
SPEED_LED: J9.9 R60.2 U7.2 | length 67.6
  Top Layer w0.254: U7.2@105.925,42.675 111.375,42.675 113.15,40.9 R60.2@113.325,40.9
  Signal Layer 1 w0.254: J9.9@72.818,15.036 72.818,20.728 75.79,23.7 103.425,23.7 111.375,31.65 111.375,41.525 v1(111.925,42.075)
TFT_B0: J1.19 RP2.8 | length 4.1
  Top Layer w0.25: RP2.8@67.5,36.903 67.5,37.25 68.25,38 J1.19@68.25,40.725
TFT_B1: J1.18 RP2.6 | length 4.3
  Top Layer w0.25: RP2.6@66.7,36.903 66.7,37.25 67.75,38.3 J1.18@67.75,40.725
TFT_B2: J1.17 RP2.4 | length 4.4
  Top Layer w0.25: RP2.4@65.9,36.903 65.9,37.275 67.25,38.625 J1.17@67.25,40.725
TFT_B3: J1.16 RP2.2 | length 4.5
  Top Layer w0.25: RP2.2@65.1,36.903 65.1,37.275 66.75,38.925 J1.16@66.75,40.725
TFT_B4: J1.15 RP1.8 | length 4.8
  Top Layer w0.25: RP1.8@63.875,36.928 63.875,37.25 66.25,39.625 J1.15@66.25,40.725
TFT_B5: J1.14 RP1.6 | length 4.9
  Top Layer w0.25: RP1.6@63.075,36.928 63.075,37.256 65.75,39.931 J1.14@65.75,40.725
TFT_B6: J1.13 RP1.4 | length 5.2
  Top Layer w0.25: RP1.4@62.275,36.928 62.275,37.3 62.975,38 63.3,38 65.25,39.95 J1.13@65.25,40.725
TFT_B7: J1.12 RP1.2 | length 5.5
  Top Layer w0.25: RP1.2@61.475,36.928 61.475,37.3 62.6,38.425 63.2,38.425 64.75,39.975 J1.12@64.75,40.725
TFT_CLK: J1.37 RP7.8 | length 45.8
  Top Layer w0.254: J1.37@77.25,40.725 77.25,39.325 v1(77.6,38.975)
  Signal Layer 1 w0.254: v1(38.2,41.05) 38.354,41.204 64.675,41.204 68.071,44.6 73.125,44.6 77.6,40.125 v1(77.6,38.975)
TFT_DE: J1.9 RP7.2 | length 29.3
  Top Layer w0.2: J1.9@63.25,40.725 63.25,44.375
  Signal Layer 1 w0.2: v1(38.2,43.475) 39.7,44.975 62.652,44.975 v1(63.073,44.554)
TFT_G0: J1.27 RP4.8 | length 7.8
  Top Layer w0.25: J1.27@72.25,40.725 72.25,38.5 73.475,37.275 RP4.8@73.475,33.428
TFT_G1: J1.26 RP4.6 | length 7.7
  Top Layer w0.25: J1.26@71.75,40.725 71.75,38.375 72.675,37.45 RP4.6@72.675,33.428
TFT_G2: J1.25 RP4.4 | length 7.6
  Top Layer w0.25: J1.25@71.25,40.725 71.25,38.25 71.875,37.625 RP4.4@71.875,33.428
TFT_G3: J1.24 RP4.2 | length 7.8
  Top Layer w0.25: J1.24@70.75,40.725 70.75,38.2 71.475,37.475 71.475,34.225 71.075,33.825 RP4.2@71.075,33.428
TFT_G4: J1.23 RP3.8 | length 4
  Top Layer w0.25: J1.23@70.25,40.725 70.25,37.875 70.825,37.3 RP3.8@70.825,36.953
TFT_G5: J1.22 RP3.6 | length 3.9
  Top Layer w0.25: J1.22@69.75,40.725 69.75,37.6 70.025,37.325 RP3.6@70.025,36.953
TFT_G6: J1.21 RP3.4 | length 3.8
  Top Layer w0.25: RP3.4@69.225,36.953 69.25,36.978 J1.21@69.25,40.725
TFT_G7: J1.20 RP3.2 | length 3.9
  Top Layer w0.25: RP3.2@68.425,36.953 68.425,37.35 68.75,37.675 J1.20@68.75,40.725
TFT_HS: J1.11 RP7.6 | length 29.4
  Top Layer w0.2: J1.11@64.25,40.725 v1(64.25,43.425)
  Signal Layer 1 w0.2: v1(38.2,41.825) 38.723,42.348 60.323,42.348 61.325,43.35 64.175,43.35 v1(64.25,43.425)
TFT_R0: J1.35 RP6.8 | length 10
  Top Layer w0.25: 76.25,39.875 J1.35@76.25,40.725 76.25,39.125 80.8,34.575 RP6.8@80.8,33.453
TFT_R1: J1.34 RP6.6 | length 9
  Top Layer w0.25: J1.34@75.75,40.725 75.75,39.05 80,34.8 RP6.6@80,33.453
TFT_R2: J1.33 RP6.4 | length 8.9
  Top Layer w0.25: J1.33@75.25,40.725 75.25,38.9 79.2,34.95 RP6.4@79.2,33.453
TFT_R3: J1.32 RP6.2 | length 8.8
  Top Layer w0.25: J1.32@74.75,40.725 74.75,38.825 74.898,38.677 74.898,38.654 78.4,35.153 RP6.2@78.4,33.453
TFT_R4: J1.31 RP5.8 | length 8.5
  Top Layer w0.25: J1.31@74.25,40.725 74.25,38.65 77.15,35.75 RP5.8@77.15,33.428
TFT_R5: J1.30 RP5.6 | length 8.4
  Top Layer w0.25: J1.30@73.75,40.725 73.75,38.6 76.35,36 RP5.6@76.35,33.428
TFT_R6: J1.29 RP5.4 | length 8.2
  Top Layer w0.25: J1.29@73.25,40.725 73.25,38.494 75.55,36.194 RP5.4@75.55,33.428
TFT_R7: J1.28 RP5.2 | length 8.1
  Top Layer w0.25: J1.28@72.75,40.725 72.75,38.497 74.75,36.497 RP5.2@74.75,33.428
TFT_VS: J1.10 RP7.4 | length 29.2
  Top Layer w0.2: v1(63.7,43.875) 63.75,43.825 J1.10@63.75,40.725
  Signal Layer 1 w0.2: v1(38.2,42.65) 59.925,42.65 61.15,43.875 v1(63.7,43.875)
TPRX+: R57.2 T1.6 U7.23 | length 9.4
  Top Layer w0.25: U7.23@104.675,41.425 104.675,40.3 R57.2@106.15,38.825
  Bottom Layer w0.25: v1(106.45,38.575) 106.57,38.455 v1(106.57,32.4)
TPRX-: R58.2 T1.8 U7.22 | length 9.5
  Top Layer w0.25: U7.22@104.175,41.425 104.175,38.05 104.675,37.55 v1(104.675,37.45)
  Bottom Layer w0.25: v1(104.03,32.4) 104.03,36.805 v1(104.675,37.45) v1@104.675,37.5
TPTX+: R55.2 T1.1 U7.21 | length 17
  Top Layer w0.25: U7.21@103.675,41.425 103.675,35.825 R55.2@103.8,35.7 110.8,35.7 112.92,33.58 T1.1@112.92,32.4
TPTX-: R56.2 T1.3 U7.20 | length 16.2
  Top Layer w0.25: U7.20@103.175,41.425 103.175,38.05 R56.2@102.45,37.325 102.975,36.8 102.975,34.7 103.425,34.25 109.525,34.25 110.38,33.395 T1.3@110.38,32.4
TX1: J3.2 U6.31 | length 9.9
  Top Layer w0.2: J3.2@134.703,40.75 134.703,38.572 135.998,37.277 137.548,37.277 138.9,35.925 v1(138.9,35.85)
  Bottom Layer w0.2: v1(138.9,35.85) 139.95,36.9 U6.31@139.95,37.775
TX2: J3.3 U6.30 | length 10.9
  Top Layer w0.2: J3.3@135.203,40.75 135.203,38.822 136.447,37.578 137.85,37.578 139.575,35.853 139.575,35.4 v1(139.5,35.325)
  Bottom Layer w0.2: v1(139.5,35.325) 139.6,35.325 140.35,36.075 U6.30@140.35,37.775
TX3: J3.4 U6.29 | length 11.7
  Top Layer w0.2: J3.4@135.703,40.75 135.703,39.122 136.945,37.88 138.02,37.88 140.102,35.798 140.102,34.827 v1(140.075,34.8)
  Bottom Layer w0.2: v1(140.075,34.8) 140.75,35.475 U6.29@140.75,37.775
TX4: J3.5 U6.28 | length 12
  Top Layer w0.2: J3.5@136.203,40.75 136.203,39.472 137.494,38.181 138.145,38.181 140.75,35.577 v1(140.75,34.475)
  Bottom Layer w0.2: v1(140.75,34.475) 140.75,34.653 141.15,35.053 U6.28@141.15,37.775
TX5: J3.6 U6.27 | length 11.3
  Top Layer w0.2: J3.6@136.703,40.75 136.703,39.672 137.892,38.483 138.27,38.483 141.45,35.303 v1(141.45,34.75) v1@141.45,34.737
  Bottom Layer w0.2: v1(141.45,34.75) 141.55,34.85 U6.27@141.55,37.775
TX6: J3.7 U6.26 | length 11.9
  Top Layer w0.2: J3.7@137.203,40.75 137.203,39.747 138.165,38.785 138.395,38.785 142.075,35.105 v1(142.075,34.4)
  Bottom Layer w0.2: U6.26@141.95,37.775 141.95,34.525 v1(142.075,34.4)
TX7: J3.8 U6.25 | length 12
  Top Layer w0.2: J3.8@137.703,40.75 137.703,39.972 142.825,34.85 v1(142.825,34.425)
  Bottom Layer w0.2: U6.25@142.35,37.775 142.35,35.475 142.825,35 v1(142.825,34.425)
TX8: J3.9 U6.24 | length 12.2
  Top Layer w0.2: J3.9@138.203,40.75 138.203,39.972 143.55,34.625 v1(143.55,34.45)
  Bottom Layer w0.2: U6.24@142.75,37.775 142.75,35.65 143.55,34.85 v1(143.55,34.45)
TX9: J3.10 U6.23 | length 12.5
  Top Layer w0.2: J3.10@138.703,40.75 138.703,39.973 144.227,34.45 v1(144.3,34.45)
  Bottom Layer w0.2: U6.23@143.15,37.775 143.15,35.8 144.3,34.65 v1(144.3,34.45)
TX10: J3.11 U6.22 | length 12.9
  Top Layer w0.2: J3.11@139.203,40.75 139.203,39.968 143.657,35.515 143.662,35.515 144.003,35.173 144.327,35.173 v1(145.05,34.45)
  Bottom Layer w0.2: U6.22@143.55,37.775 143.55,35.95 v1(145.05,34.45)
TX11: J3.12 U6.21 | length 11
  Top Layer w0.2: J3.12@139.703,40.75 139.703,39.922 144.15,35.475 v1(145.075,35.475)
  Bottom Layer w0.2: U6.21@143.95,37.775 143.95,36.35 144.825,35.475 v1(145.075,35.475)
TX12: J3.13 U6.20 | length 10.3
  Top Layer w0.2: J3.13@140.203,40.75 140.203,39.848 143.802,36.25 v1(145.525,36.25)
  Bottom Layer w0.2: U6.20@144.35,37.775 144.35,36.475 144.575,36.25 v1(145.525,36.25)
TX13: J3.14 U6.19 | length 9.7
  Top Layer w0.2: J3.14@140.703,40.75 140.703,39.922 143.675,36.95 v1(146.175,36.95)
  Bottom Layer w0.2: U6.19@144.75,37.775 144.75,37.1 144.9,36.95 v1(146.175,36.95)
TX14: J3.15 U6.18 | length 10.8
  Top Layer w0.2: J3.15@141.203,40.75 141.203,39.922 143.3,37.825 v1(147.7,37.825)
  Bottom Layer w0.2: U6.18@145.15,37.775 147.65,37.775 v1(147.7,37.825)
TX15: J3.16 U6.17 | length 10.4
  Top Layer w0.2: J3.16@141.703,40.75 141.703,39.947 143.15,38.5 v1(148.25,38.5)
  Bottom Layer w0.2: U6.17@145.9,38.525 148.275,38.525 v1(148.25,38.5)
U1_RX: J4.3 U3.121 | length 145.9
  Top Layer w0.25: v1(45.375,29.5) 48.4,26.475 U3.121@49.231,26.475 ; v1(125.125,21.75) 129.325,21.75 131.83,24.255 145.4,24.255 J4.3@150.75,18.905
  Signal Layer 2 w0.25: v1(45.375,29.5) 42.7,26.825 42.7,22.425 41.675,21.4 41.675,9.075 43.175,7.575 56.15,7.575 67.377,18.802 110.6,18.802 113.548,21.75 v1(125.125,21.75)
U1_TX: J4.2 U3.120 | length 156.7
  Top Layer w0.25: v1(44.197,29.728) 44.178,29.728 44.15,29.7 47.875,25.975 U3.120@49.231,25.975 ; v1(126.15,20.95) 126.2,20.9 129.4,20.9 131.85,23.35 145.65,23.35 148.725,20.275 148.725,18.725 150.75,16.7 J4.2@150.75,16.365
  Signal Layer 1 w0.25: v1(44.197,29.728) 44.42,29.952 50.698,29.952
  Signal Layer 2 w0.25: v1(44.197,29.728) 42.275,27.806 42.275,22.8 41.075,21.6 41.075,8.85 42.925,7 56.35,7 67.375,18.025 110.925,18.025 113.85,20.95 v1(126.15,20.95)
VCC_LED: C28.2 Q4.3 R46.1 R47.1 | length 9.8
  Top Layer w0.5: C28.2@5.25,8.925 6.875,8.925 R46.1@6.9,8.95 ; Q4.3@6.809,12 6.809,9.041 R46.1@6.9,8.95 ; R47.1@11.925,8.9 11.875,8.95 R46.1@6.9,8.95
VDDA: C26.2 C27.2 R31.1 R34.2 U3.39 | length 12.9
  Top Layer w0.254: R31.1@16.8,10.05 16.8,9.775 18.2,8.375 R34.2@19.85,8.375 C27.2@21.425,8.375 ; C27.2@21.525,8.475 21.525,12.025 22.475,12.975 U3.39@23.6,12.975 ; C27.2@21.6,8.4 C26.2@23.05,8.4
VREF+: C21.2 C22.2 R31.2 R40.2 U3.38 | length 11.9
  Top Layer w0.254: R40.2@12.675,11.175 16.225,11.175 R31.2@16.8,11.75 C21.2@18.425,11.75 C22.2@19.9,11.75 20.5,11.75 22.225,13.475 U3.38@23.6,13.475
电源+: D13.3 J9.4 J9.5 | length 27.8
  Top Layer w1: v2(94.2,22.275) D13.3@96.25,22.275
  Bottom Layer w1: J9.4@77.898,8.686 76.882,9.702 J9.5@76.882,10.21 76.882,12.832 86.225,22.175 v2@94.15,22.175
电源-: D13.4 J9.7 J9.8 | length 32
  Top Layer w1: J9.8@73.834,8.686 73.834,9.194 J9.7@74.85,10.21 ; v2(94.2,19.775) D13.4@96.25,19.775
  Bottom Layer w1: J9.8@73.834,8.686 73.834,7.766 74.475,7.125 80.9,7.125 83.1,9.325 83.1,11.5 91.375,19.775 v2@94.175,19.775
pads on no net: C73.1 C73.2 E1.2 J1.45 J1.49 J1.50 J1.A J1.B J2.5 J2.6 J3.A J3.B J9.0 R72.1 R72.2 T1.2 T1.4 T1.5 T1.7 T1.12 T1.13 U4.1 U4.2 U4.3 U4.4 U4.5 U4.6 U4.10 U4.11 U4.14 U4.15 U4.20 U4.21 U4.22 U4.23 U4.24 U4.25 U4.26 U4.27 U4.28 U4.33 U4.34 U4.35 U4.38 U4.39 U4.40 U4.45 U4.46 U4.47 U4.48 U5.40 U6.2 U6.3 U6.4 U6.5 U6.6 U6.7 U6.8 U6.9 U6.10 U6.11 U6.12 U6.13 U6.14 U6.15 U6.16 U6.36 U6.37 U6.38 U6.39 U6.40 U6.42 U6.44 U6.48 U6.49 U6.50 U6.51 U6.63 U6.64 U6.65 U6.66 U6.67 U6.68 U7.10 U9.4 U9.5 U9.6 U9.14 U9.15 U9.16 U9.17 U9.18 U9.19 U9.20 U9.21 U9.22 U9.23 U9.25 U9.26 U9.27 U9.28 U9.29 U9.32 U9.37 U9.38 U9.39 U9.42 U9.43 U9.44 U10.1@120.675,21.075 U10.3@119.375,21.075 U10.5@64.25,11.405 U10.9 U10.20 U12.2 U12.3 U12.4 U12.5 U12.6 U12.7 U12.12 U12.14 U12.15 U12.16 U12.17 U12.19 U12.21 U12.22
copper on no net: | length 4.6
  Top Layer w0.8: 13.95,40.85 13.95,38.075 ; 14.223,37.802 13.95,38.075 ; 14.95,37.075 13.95,38.075
  other v5: 10.37,28.08 11.022,28.08 11.675,28.08 12.328,28.08 12.98,28.08 13.633,28.08 10.37,28.74 11.022,28.74 11.675,28.74 12.327,28.74 12.98,28.74 13.633,28.74 10.37,29.4 11.022,29.4 11.675,29.4 12.327,29.4 12.98,29.4 13.633,29.4 10.37,30.061 11.022,30.061 11.675,30.061 12.327,30.061 12.98,30.061 13.633,30.061 10.37,30.721 11.022,30.721 11.675,30.721 12.327,30.721 12.98,30.721 13.633,30.721 10.37,31.382 11.022,31.382 11.675,31.382 12.327,31.382 12.98,31.382 13.633,31.382

## Polygon pours and split planes (outlines as drawn)
PSEGND on Signal Layer 1 "PSEGND" (solid, remove dead copper, pour order 8): 114.325,24 114.4,23.925 123.3,23.925 128.675,23.925 132.425,20.175 141.65,10.95 141.65,4.675 141.575,4.675 140.925,4.025 140.15,4.8 109.55,4.8 109.55,10.65 108.45,11.75 109.062,14.112 111.25,16.3 111.25,20.3 114.275,23.325 117.6,23.325 117.925,23.65 117.575,24 114.375,24
3V3 on Signal Layer 1 "3V3" (solid, remove dead copper, shelved, pour order 14): 22.9,52.975 23.075,52.8 23.075,41.825 23.075,41.575 21.45,39.95 20.875,39.375 12.4,39.375 12.375,39.375 6.55,33.55 3.675,30.675 3.675,29.7 3.675,-2.775 3.75,-2.85 4.1,-3.2 25.95,-3.2 30.925,-3.2 32.2,-1.925 32.55,-1.575 32.55,4.225 45.05,4.225 45.55,4.725 45.575,4.75 47.2,4.75 47.2,4.8 54.5,12.1 56.1,13.7 56.1,22.325 56.1,22.45 51.2,27.35 50.05,28.5 38.525,28.5 38.525,29.3 34.825,33 35.675,33.85 40.425,33.85 49.425,33.85 49.775,34.2 49.9,34.325 49.9,36.425 53.475,36.425 61.375,44.325 61.225,44.475 61.225,53.3 60.7,52.775 23.025,52.775 23.025,52.9 22.975,52.95 23.025,52.9 23.025,52.875 23.075,52.875 23.225,52.725
GND on Signal Layer 2 "GND" (solid, remove dead copper, shelved, pour order 16): -0.95,52.275 156.475,52.275 156.825,52.625 157.55,51.9 157.55,-3.425 -2.525,-3.425 -2.725,-3.225 -1.425,-1.925 -1.425,52.125 7.85,52.125 16.925,61.2 17.125,61 17.325,61 8.125,61 -0.625,52.25

## Keep-outs
Keep-Out Layer:
  the board outline again, w0.2

## Other copper
Top Layer:
  pour cut-out: 21.9,50.825 21.9,41.375 -0.1,41.375 -0.125,41.35 -0.125,50.875 -0.175,50.825
Signal Layer 1:
  pour cut-out: 21.9,50.825 21.9,41.375 -0.1,41.375 -0.125,41.35 -0.125,50.875 -0.175,50.825
Signal Layer 2:
  pour cut-out: 21.9,50.825 21.9,41.375 -0.1,41.375 -0.125,41.35 -0.125,50.875 -0.175,50.825
Bottom Layer:
  pour cut-out: 21.9,50.825 21.9,41.375 -0.1,41.375 -0.125,41.35 -0.125,50.875 -0.175,50.825

## Silkscreen, mask and mechanical layers (free items; w line width, h text height)
Top Overlay:
  lines w0.05: -19.25,0 152.325,0
  lines w0.1: 50.95,32.75 50.95,42.375 ; 52.3,30.875 68.608,30.875 68.683,30.8 68.683,27.683 68.741,27.625 73.625,27.625 73.625,30.844 73.572,30.897 70.328,30.897 70.328,33.447 69.95,33.825 61.15,33.825 60.825,34.15 60.825,39.775 60.9,39.85 ; 52.3,40.5 53.2,41.4 56.125,41.4 ; 77.4,-58.55 77.4,49.875 ; 93.75,16.535 93.75,28.2 95.325,29.775 ; 96.175,29.775 96.175,49.875 ; 96.875,29.8 101.025,29.8 103.675,29.8 ; 102.125,29.775 102.85,29.05 102.85,22.675 103.85,21.675 113.9,21.675 117.2,24.975 149.85,24.975 152.275,22.55 ; 113.775,24.325 114.175,24.325 ; 114.775,22.55 114.775,28.325 117.705,31.255 ; 117.525,31.075 117.705,31.255 ; 127.825,49.875 127.825,31.25 121.072,31.25 121.067,31.255 117.705,31.255
  lines w0.2: -0.5,17.625 21.55,17.625 ; -0.425,17.85 -0.425,50.4 ; 0,49.875 152.4,49.875 152.4,4.225 ; 74.8,46.75 131.914,46.75 131.914,54.236 ; 86,37.05 86,49.819
  lines w0.254: 0,49.621 0,50.129 ; 1.524,49.366 0,49.875 ; 1.524,50.382 0,49.875 ; 67.558,49.831 0,49.875 ; 77.4,49.621 77.4,50.129 ; 78.924,49.367 77.4,49.875 ; 78.924,50.383 77.4,49.875 ; 84.875,49.819 152.433,49.775 ; 86,49.565 86,50.073 ; 87.524,49.31 86,49.819 ; 87.524,50.326 86,49.819 ; 101.06,49.812 86,49.819 ; 109.796,49.875 77.4,49.875 ; 116.854,49.806 131.914,49.8 ; 120.004,49.875 152.4,49.875 ; 130.39,49.293 131.914,49.8 ; 130.39,50.309 131.914,49.8 ; 131.914,49.546 131.914,50.054 ; 150.876,49.367 152.4,49.875 ; 150.876,50.383 152.4,49.875 ; 150.909,49.268 152.433,49.775 ; 150.91,50.284 152.433,49.775 ; 151.844,1.45 152.35,-0.075 ; 151.89,48.352 152.4,49.875 ; 152.096,-0.075 152.604,-0.075 ; 152.146,49.875 152.654,49.875 ; 152.368,17.638 152.35,-0.075 ; 152.382,32.162 152.4,49.875 ; 152.4,49.621 152.4,50.129 ; 152.433,49.521 152.433,50.029 ; 152.86,1.448 152.35,-0.075 ; 152.906,48.35 152.4,49.875
  lines w0.4: 57.775,14.025 57.775,30.625 61.325,34.175 135.525,34.175 144.9,24.8 152.625,24.8
  lines w0.5: 31.2,65.85 31.2,46.35 33.475,44.075 50.4,44.075 ; 117.775,11.5 118.125,11.5 ; 141,11.525 141.675,12.2
  text "1/蓝牙放正面，nand和SDRAM放反面" at 16.4,58.125 h0.81
  text "2/nand和蓝牙放正面，SDRAM放反面" at 16.1,56.5 h0.81
  text "想不干扰就得把板加长放在最边山" at 7.075,54.1 h2
  text "比屏短了1CM左右吧" at 85.35,52.675 h2
  text "75 (mm)" at 110.05,48.961 h1.52
  text "152.433 (mm)" at 67.811,48.916 h1.52 r359.96
  text "45.914 (mm)" at 101.314,48.898 h1.52 r359.98
  text "ETH" at 124.55,42.425 h3 r270
  text "BL" at 51.65,41.55 h2
  text "3V3" at 21.25,40.25 h1
  text "C72直接PIN还没接哦" at 60.825,27.75 h2
  text "D7不知怎么了" at 103.275,27.15 h2
  text "添加PCB网络" at 156.175,26.875 h2
  text "POE" at 126.45,22.65 h2
  text "49.95 (mm)" at 153.282,17.891 h1.52 r89.94
  text "KEY" at 3.9,1.05 h2
  text "RST" at 148.775,0.3 h2
Top Solder:
  pour cut-out: 21.9,50.825 21.9,41.375 -0.1,41.375 -0.125,41.35 -0.125,50.875 -0.175,50.825
Mechanical 1:
  lines w0.5: 152.4,49.875 152.4,49.875

## Text inside footprints (layer, text, board x,y; h text height)
J1: Top Overlay "1" at 58.488,39.582 h0.89; Top Overlay "50" at 84.294,39.506 h0.89
J3: Top Overlay "1" at 133.489,39.709 h0.89; Top Overlay "30" at 149.313,39.963 h0.89
J9: Top Overlay "+" at 72.564,15.925 h1; Top Overlay "+" at 84.248,16.052 h1; Top Overlay "G" at 71.421,15.925 h1; Top Overlay "Y" at 82.851,15.798 h1